# Altium PCB spd150.PcbDoc (part 1 of 15) (continued)
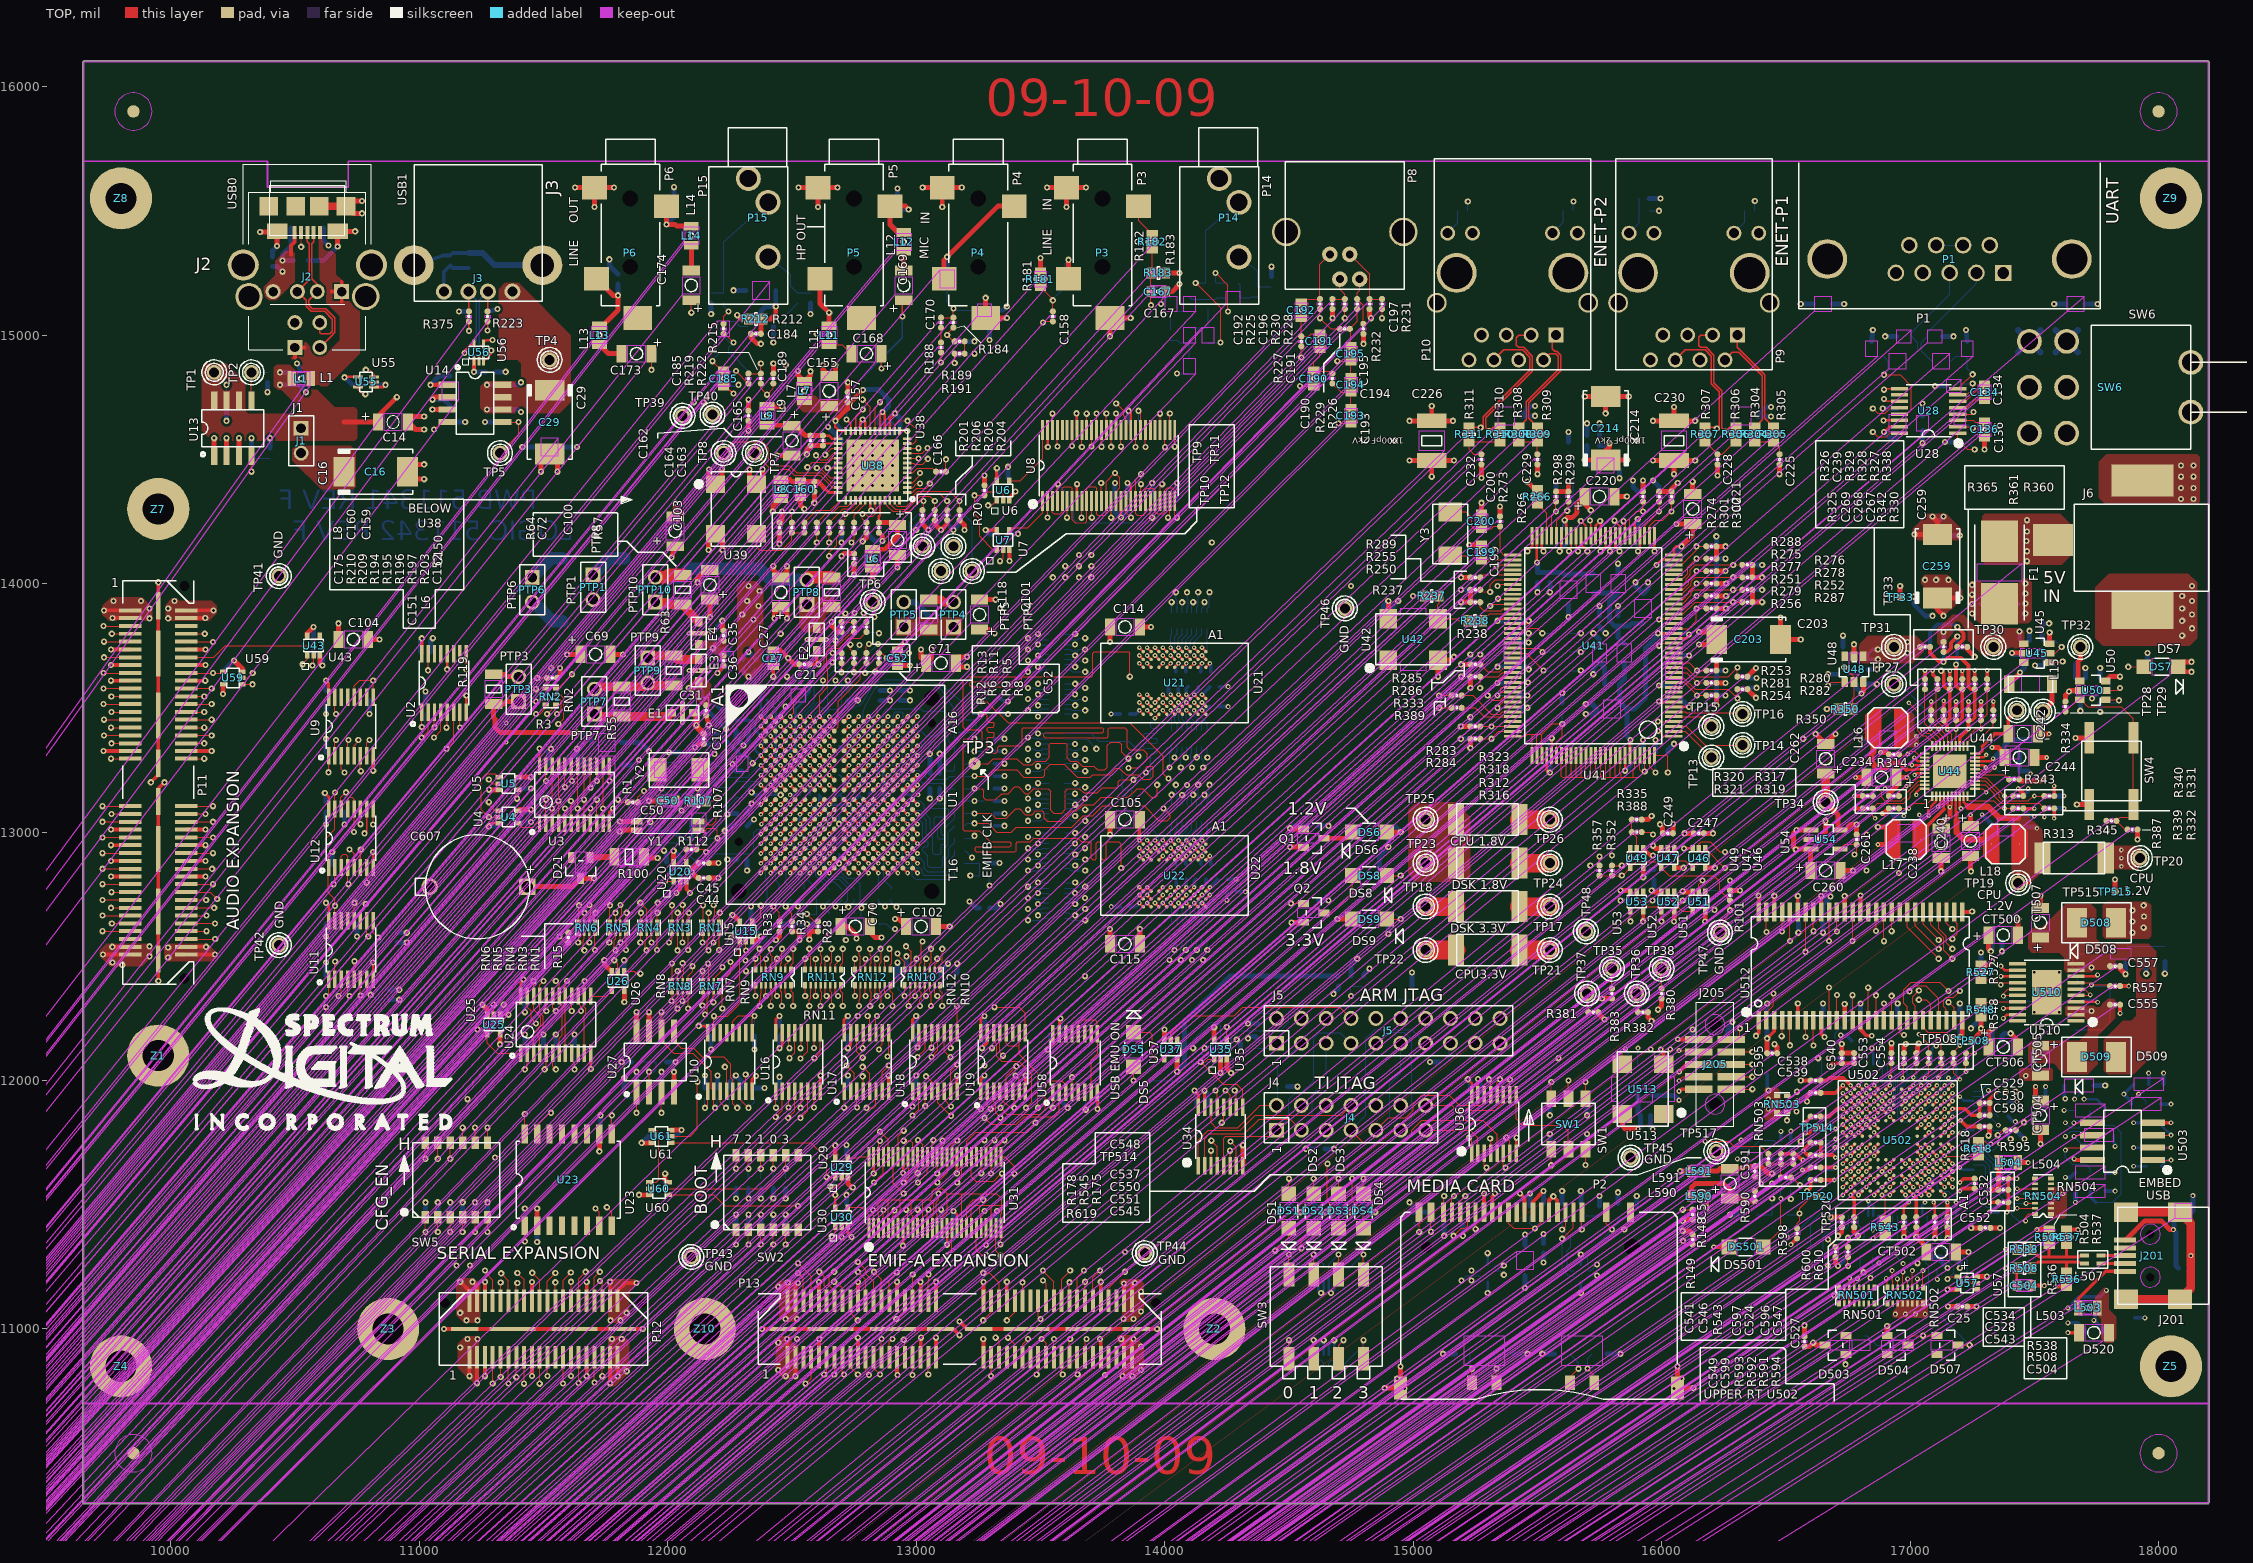
[diagram p0: TOP view]
## Components (designator, comment, footprint, x,y, rotation, side; value= is the part's Value field where it differs from the comment) (continued)
C235 "CAP NP_C402-25_0.1UF" C402-25#3 16935,13145 r0 bottom
C236 "CAP P_0_C1206-40X70_22UF" C1206-40X70#2 16910,13370 r0 bottom
C237 "CAP P_0_C1206-40X70_22UF" C1206-40X70#3 16985,12995 r180 bottom
C238 "CAP P_0_C1206-40X70-POL_10UF" C1206-40X70-POL#13 17125,12955 r270 top
C239 "CAP NP_C402-25_0.001UF" C402-25#9 17110,13595 r90 top
C240 "CAP P_0_C1206-40X70-POL_10UF" C1206-40X70-POL#14 17243,12964 r270 top
C241 "CAP P_0_C1206-40X70_22UF" C1206-40X70#2 17385,13020 r0 bottom
C242 "CAP P_0_C1206-40X70_22UF" C1206-40X70#1 17455,13395 r0 top
C243 "CAP P_0_C603-35X45_2.2UF" C603-35X45#19 17410,13320 r180 bottom
C244 "CAP P_0_C1206-40X70-POL_10UF" C1206-40X70-POL#5 17440,13300 r0 top
C245 "CAP P_0_C603-35X45_2.2UF" C603-35X45#19 17410,13245 r180 bottom
C246 "CAP NP_2_C402-25_0.1UF" C402-25#10 17460,13695 r270 bottom
C247 "CAP NP_0_C402-25_0.1UF" C402-25#57 16150,12995 r180 top
C248 "CAP NP_2_C402-25_0.1UF" C402-25#3 17560,13670 r0 bottom
C249 "CAP NP_0_C402-25_0.1UF" C402-25#58 16025,12995 r180 top
C250 "CAP NP_2_C402-25_0.1UF" C402-25#59 16805,13595 r180 bottom
C251 "CAP NP_0_C402-25_0.1UF" C402-25#3 15970,12830 r90 bottom
C252 "CAP NP_2_C402-25_0.1UF" C402-25#60 16710,13615 r270 bottom
C253 "CAP NP_2_C402-25_0.1UF" C402-25#61 17685,13545 r270 bottom
C254 "CAP NP_2_C402-25_0.1UF" C402-25#3 17785,13520 r0 bottom
C255 "CAP NP_2_C402-25_.1UF" C402-25#62 15875,12745 r270 bottom
C256 "CAP NP_0_C402-25_0.1UF" C402-25#62 16125,12745 r270 bottom
C257 "CAP NP_0_C402-25_0.1UF" C402-25#62 16000,12745 r270 bottom
C258 "CAP NP_2_C402-25_1UF" C402-25#3 16175,12745 r90 bottom
C259 "CAP P_0_C7343-84X118_47UF" C7343-84X118 17110,14070 r90 top
C260 "CAP 10UF CERMC 6.3V 20% 1206_C1" C1206-40X70-POL#5 16660,12845 r0 top
C261 "CAP 100NF CERMC 16V 10% 603_C_1" C402-25#63 16785,12970 r270 top
C262 "CAP 10UF CERMC 6.3V 20% 1206_C1" C1206-40X70-POL#5 16660,13295 r90 top
C263 "CAP NP_0_C402-25_0.1UF" C402-25#64 11287.3,14852 r180 bottom
C264 "CAP NP_0_C402-25_0.1UF" C402-25#3 10800,14800 r0 bottom
C265 "CAP NP_2_C402-25_0.1UF" C402-25#65 13560,12185 r180 bottom
C266 "CAP NP_2_C402-25_.1UF" C402-25#60 10210,13620 r270 bottom
C267 "CAP NP_C402-25_NO-POP" C402-25#9 17235,13470 r90 top
C268 "CAP NP_C402-25_0.1UF" C402-25#9 17185,13470 r90 top
C269 "CAP NP_C402-25_0.1UF" C402-25#9 17135,13470 r90 top
C270 "CAP .1 UF 10% 0603_C402-25_.1UF" C402-25#66 10410,15295 r270 bottom
C271 "CAP .1 UF 10% 0603_C402-25_.1UF" C402-25#66 11125,15300 r270 bottom
C272 "CAP NP_C402-25_0.01UF" C402-25#17 12374,13328 r0 bottom
C273 "CAP NP_C402-25_0.1UF" C402-25#3 11970,11565 r0 bottom
C274 "CAP NP_0_C402-25_0.1UF" C402-25#67 11975,11775 r180 bottom
C275 "CAP .1 UF 10% 0603_C402-25_NO-P" C402-25#68 11995,12860 r270 bottom
C502 "CAP NP_5_C603-35X45_NO-POP" C603-35X45#1 17560,11370 r90 bottom
C504 "CAP NP_5_C603-35X45_NO-POP" C603-35X45#2 17460,11175 r0 top
C518 "CAP NP_C603-35X45_NO-POP" C603-35X45#1 16375,11685 r0 bottom
C524 "CAP NP_5_C402-25_0.1UF" C402-25#69 17025,11430 r270 top
C526 "CAP NP_1_C402-25_0.1UF" C402-25#70 17350,12560 r180 bottom
C527 "CAP NP_5_C402-25_0.1UF" C402-25#9 16575,10950 r90 top
C528 "CAP NP_1_C402-25_0.1UF" C402-25#9 17375,11560 r0 top
C529 "CAP NP_5_C402-25_0.1UF" C402-25#9 17300,11910 r0 top
C530 "CAP NP_5_C402-25_0.1UF" C402-25#9 17300,11860 r0 top
C531 "CAP NP_5_C402-25_0.01UF" C402-25#71 17885,11045 r180 bottom
C532 "CAP NP_5_C402-25_0.1UF" C402-25#72 17260,11585 r270 top
C534 "CAP NP_C402-25_0.001UF" C402-25#9 17375,11605 r0 top
C535 "CAP NP_5_C402-25_0.1UF" C402-25#3 18100,11245 r0 bottom
C537 "CAP NP_5_C402-25_0.1UF" C402-25#73 16620,11750 r180 top
C538 "CAP NP_5_C402-25_0.1UF" C402-25#73 16620,12000 r180 top
C539 "CAP NP_5_C402-25_0.1UF" C402-25#73 16620,11950 r180 top
C540 "CAP NP_5_C402-25_0.1UF" C402-25#9 16725,12090 r90 top
C541 "CAP NP_5_C402-25_0.1UF" C402-25#69 16725,11430 r270 top
C543 "CAP NP_5_C402-25_0.1UF" C402-25#9 17375,11510 r0 top
C544 "CAP NP_5_C402-25_0.1UF" C402-25#74 17525,11940 r180 bottom
C545 "CAP NP_5_C402-25_0.1UF" C402-25#73 16620,11600 r180 top
C546 "CAP NP_5_C402-25_0.1UF" C402-25#69 16775,11430 r270 top
C547 "CAP NP_5_C402-25_0.1UF" C402-25#69 17150,11430 r270 top
C548 "CAP NP_5_C402-25_0.1UF" C402-25#73 16620,11855 r180 top
C549 "CAP NP_5_C402-25_0.1UF" C402-25#9 16975,12090 r90 top
C550 "CAP NP_5_C402-25_0.1UF" C402-25#73 16620,11700 r180 top
C551 "CAP NP_5_C402-25_0.1UF" C402-25#73 16620,11650 r180 top
C552 "CAP NP_5_C402-25_0.1UF" C402-25#9 17303,11407 r0 top
C553 "CAP NP_5_C402-25_0.1UF" C402-25#9 16775,12090 r90 top
C554 "CAP NP_5_C402-25_0.1UF" C402-25#9 16925,12090 r90 top
C555 "CAP NP_4_C402-25_0.1UF" C402-25#9 17825,12305 r0 top
C556 "CAP NP_1_C402-25_0.1UF" C402-25#70 17350,12160 r180 bottom
C557 "CAP NP_1_C402-25_0.1UF" C402-25#9 17825,12460 r0 top
C590 "CAP NP_4_C1206-40X70-POL_10UF" C1206-40X70-POL#5 16275,11585 r90 top
C591 "CAP NP_4_C402-25_0.1UF" C402-25#9 16375,11635 r90 top
C592 "CAP NP_C402-25_0.1UF" C402-25#75 17405,11800 r180 bottom
C593 "CAP NP_C402-25_0.1UF" C402-25#3 16500,11760 r0 bottom
C594 "CAP NP_C402-25_0.1UF" C402-25#3 17075,11310 r90 bottom
C595 "CAP NP_C402-25_0.1UF" C402-25#9 16445,12110 r0 top
C596 "CAP NP_C402-25_0.1UF" C402-25#69 17100,11430 r270 top
C597 "CAP NP_C402-25_0.1UF" C402-25#69 16975,11430 r270 top
C598 "CAP NP_C402-25_0.1UF" C402-25#9 17300,11815 r0 top
C599 "CAP NP_C402-25_0.1UF" C402-25#9 17025,12090 r90 top
C600 "CAP NP_1_C402-25_0.1UF" C402-25#76 16800,12235 r270 bottom
C601 "CAP NP_1_C402-25_0.1UF" C402-25#76 17200,12235 r270 bottom
C602 "CAP NP_1_C402-25_0.1UF" C402-25#76 16650,12235 r270 bottom
C603 "CAP NP_1_C402-25_0.1UF" C402-25#76 16425,12235 r270 bottom
C604 "CAP NP_1_C402-25_0.1UF" C402-25#3 16650,12660 r90 bottom
C605 "CAP NP_1_C402-25_0.1UF" C402-25#3 16550,12685 r90 bottom
C606 "CAP NP_1_C402-25_0.1UF" C402-25#77 15935,11860 r180 bottom
C607 "CAP_0_C393-6545-H_.33F" C393-6545-H 11215,12780 r180 top
CT500 "CAP P_1_C1206-40X70P_33UF" C1206-40X70P#1 17375,12585 r0 top
CT502 "CAP P_1_C1206-40X70P_22UF" C1206-40X70P#3 17125,11310 r180 top
CT504 "CAP P_1_C1206-40X70P_22UF" C1206-40X70P#4 17525,11860 r270 top
CT505 "CAP P_1_C1206-40X70P_22UF" C1206-40X70P#5 17525,12080 r270 top
CT506 "CAP P_1_C1206-40X70P_33UF" C1206-40X70P#1 17375,12135 r0 top
CT507 "CAP P_1_C1206-40X70P_22UF" C1206-40X70P#1 17525,12635 r90 top
D1 "SMCJ6_0.0A_SMC-80X128_SMCJ6A" SMC-80X128 17110,14070 r270 bottom
D21 "MMBD4148_0_SOT23-3_MMBD4148" SOT23-3 11650,12855 r180 top
D503 "MMBD4148_0_SOT23-28X44_MMBD4148" SOT23-28X44#1 16700,10935 r90 top
D504 "MMBD4148_0_SOT23-28X44_MMBD4148" SOT23-28X44#2 16950,10935 r270 top
D505 "MMBD4148_0_SOT23-28X44_MMBD4148" SOT23-28X44#3 16775,10935 r90 bottom
D506 "MMBD4148_0_SOT23-28X44_MMBD4148" SOT23-28X44#3 16950,10935 r90 bottom
D507 "MMBD4148_0_SOT23-28X44_MMBD4148" SOT23-28X44#2 17150,10935 r270 top
D508 "DIODE_0_DO214AA-79X110_MURS120T" DO214AA-79X110 17750,12635 r0 top
D509 "DIODE_0_DO214AA-79X110_MURS120T" DO214AA-79X110 17750,12095 r0 top
D520 "DIODE ZENER_0_MELF1206-40X70_6." MELF1206-40X70 17740,10985 r180 top
DS1 "LED_0_LED1206-59X59_LED_GRN" LED1206-59X59#1 14500,11475 r90 top
DS2 "LED_0_LED1206-59X59_LED_GRN" LED1206-59X59#1 14600,11475 r90 top
DS3 "LED_0_LED1206-59X59_LED_GRN" LED1206-59X59#1 14700,11475 r90 top
DS4 "LED_RED_0_LED1206-59X59_LED_GRN" LED1206-59X59#1 14800,11475 r90 top
DS5 "LED_1_LED1206-59X59_GREEN" LED1206-59X59#2 13875,12125 r270 top
DS6 "LED_2_LED1206-59X59_LED GRN" LED1206-59X59#1 14825,13000 r0 top
DS7 "LED_2_LED1206-59X59_LED GRN" LED1206-59X59#3 18010,13665 r180 top
DS8 "LED_2_LED1206-59X59_LED GRN" LED1206-59X59#1 14825,12825 r0 top
DS9 "LED_2_LED1206-59X59_LED GRN" LED1206-59X59#1 14825,12650 r0 top
DS501 "LED_0_LED1206-59X59_LTST-C150GK" LED1206-59X59#1 16340,11330 r0 top
E1 "NFM_1_EMI-NFM21P_NFM21PC474R1C3" EMI-NFM21P 12060,13480 r180 top
E2 "NFM_1_EMI-NFM21P_NFM21PC474R1C3" EMI-NFM21P 12600,13775 r90 top
E3 "NFM_1_EMI-NFM21P_NFM21PC474R1C3" EMI-NFM21P 12125,13650 r90 top
E4 "NFM_1_EMI-NFM21P_NFM21PC474R1C3" EMI-NFM21P 12125,13800 r90 top
F1 "F_2.5A_FUSEFOLDER-OMNI-BLOK_F_4" FUSEFOLDER-OMNI-BLOK 17360,14045 r270 top
J1 "HEADER 2_JUMP1X2-6040_HEADER 2" JUMP1X2-6040 10525,14575 r0 top
J2 "USBCONN3_0_USB_TRIPL-REV2_USB-M" USB_TRIPL-REV2 10550,15315 r180 top
J3 "USB-A CONNECTOR_USB_A_SH_USB-A" USB_A_SH 11237.9,15410.7 r180 top
J4 "14 PIN EMULATION HEADER_1_JUMP2" JUMP2X7-6040 14750,11850 r90 top
J5 "HEADER 10X2_JUMP2X10-6040_SAMTE" JUMP2X10-6040 14900,12200 r90 top
J6 "PHONEJACK_1_PWR3-RASM712_RASM71" PWR3-RASM712 17843,14148.5 r90 top
J201 "USBMINI_B_SAMTEC-MUSB_USBMINI_B" SAMTEC-MUSB 18012.5,11295 r90 top
J205 "HEADER 5X2_0_CONN2X5-AMP104652_" CONN2X5-AMP104652 16217.5,12065 r270 top
JP501 "JUMPER3_SMT_JUMP3-603-35X45_JUM" JUMP3-603-35X45#1 17755,11555 r0 bottom
JP502 "JUMPER3_SMT_JUMP3-603-35X45_JUM" JUMP3-603-35X45#1 17990,11985 r0 bottom
JP503 "JUMPER3_SMT_JUMP3-603-35X45_JUM" JUMP3-603-35X45#1 17980,11905 r0 bottom
JP504 "JUMPER3_SMT_JUMP3-603-35X45_JUM" JUMP3-603-35X45#2 17650,11980 r180 bottom
JP505 "JUMPER3_SMT_JUMP3-603-35X45_JUM" JUMP3-603-35X45#1 17755,11630 r0 bottom
JP506 "JUMPER3_SMT_JUMP3-603-35X45_JUM" JUMP3-603-35X45#1 17790,11780 r0 bottom
JP507 "JUMPER3_SMT_JUMP3-603-35X45_JUM" JUMP3-603-35X45#1 17755,11880 r0 bottom
JP508 "JUMPER 2_R603-35X45_JUMPER 2" R603-35X45#1 17980,11655 r180 bottom
JP509 "JUMPER 2_R603-35X45_JUMPER 2" R603-35X45#1 17980,11730 r180 bottom
JP510 "JUMPER 2_R603-35X45_JUMPER 2" R603-35X45#1 17980,11830 r180 bottom
L1 "INDUCTOR_3_L805-35X60_BLM21PG22" L805-35X60#1 10525,14825 r180 top
L2 "INDUCTOR_0_L805-35X60_BLM21PG22" L805-35X60#2 16650,15125 r180 bottom
L3 "INDUCTOR_L805-35X60_1UH" L805-35X60#3 16950,14895 r180 bottom
L4 "INDUCTOR_L805-35X60_1UH" L805-35X60#4 17125,14895 r0 bottom
L5 "INDUCTOR_0_L805-35X60_BLM21PG22" L805-35X60#4 17665,15125 r0 bottom
L6 "INDUCTOR_L805-35X60_BLM21PG221S" L805-35X60#5 12825,14100 r90 top
L7 "INDUCTOR_L805-35X60_BLM21PG221S" L805-35X60#5 12550,14775 r90 top
L8 "INDUCTOR_L805-35X60_BLM21PG221S" L805-35X60#6 12455,14380 r270 top
L9 "INDUCTOR_L805-35X60_BLM21PG221S" L805-35X60#5 12400,14675 r90 top
L10 "INDUCTOR_L805-35X60_BLM21PG221S" L805-35X60#4 13125,15225 r90 bottom
L11 "INDUCTOR_L805-35X60_BLM21PG221S" L805-35X60#5 12650,15000 r90 top
L12 "INDUCTOR_L805-35X60_BLM21PG221S" L805-35X60#5 12950,15375 r90 top
L13 "INDUCTOR_L805-35X60_BLM21PG221S" L805-35X60#5 11725,15000 r90 top
L14 "INDUCTOR_L805-35X60_BLM21PG221S" L805-35X60#5 12095,15400 r90 top
L15 "INDUCTOR_0_FB1806-41X70_BLM41P7" FB1806-41X70 17484.5,13594.5 r0 top
L16 "INDUCTOR_0_IND_VLCF_2.2UH" IND_VLCF 16910,13420 r0 top
L17 "INDUCTOR_0_IND_VLCF_2.2UH" IND_VLCF 16985,12970 r0 top
L18 "INDUCTOR_0_IND_VLCF_2.2UH" IND_VLCF 17384,12952 r180 top
L19 "FBEAD_1_L805-35X60_BLM21PG221SN" L805-35X60#4 15750,13720 r90 bottom
L20 "FBEAD_1_L805-35X60_BLM21PG221SN" L805-35X60#4 15850,13720 r90 bottom
L21 "FBEAD_1_L805-35X60_BLM21PG221SN" L805-35X60#4 15775,14475 r0 bottom
L22 "FBEAD_1_L805-35X60_BLM21PG221SN" L805-35X60#7 15725,14000 r270 bottom
L23 "FBEAD_1_L805-35X60_BLM21PG221SN" L805-35X60#7 15825,14000 r270 bottom
L24 "INDUCTOR_0_EMI-BLM31P-40X70_BLM" EMI-BLM31P-40X70 11755,13360 r0 bottom
L25 "INDUCTOR_0_EMI-BLM31P-40X70_BLM" EMI-BLM31P-40X70 11755,13270 r0 bottom
L503 "FERRITE CHIP_L805-35X60_BLM21P2" L805-35X60#5 17715,11085 r0 top
L504 "FERRITE CHIP_L805-35X60_BLM21P2" L805-35X60#8 17395,11670 r180 top
L505 "FERRITE CHIP_L805-35X60_BLM21P2" L805-35X60#9 18100,11475 r180 bottom
L507 "CM CHOKE_EMI-36X15-DLW21_DLW21S" EMI-36X15-DLW21 17735,11280 r0 top
L590 "FERRITE CHIP_L603-35X45_30 OHM" L603-35X45#1 16150,11535 r0 top
L591 "FERRITE CHIP_L603-35X45_30 OHM" L603-35X45#1 16150,11635 r0 top
L592 "FERRITE CHIP_L603-35X45_FERRITE" L603-35X45#2 15935,11940 r180 bottom
P1 "DSUB9-MALE_CONN9D-6547-RT-M_DB9" CONN9D-6547-RT-M 17159,15400 r0 top
P2 "MMC4_2.0_CONN_CONN-MMC-MHC-W21-" CONN-MMC-MHC-W21-601 15509,11091.8 r0 top
P3 "KYCON ST-3500_0_ST_3500_LINE IN" ST_3500 13750,15402.5 r0 top
P4 "KYCON ST-3500_0_ST_3500_MIC IN" ST_3500 13250,15402.5 r0 top
P5 "KYCON ST-3500_0_ST_3500_HEADPHO" ST_3500 12750,15402.5 r0 top
P6 "KYCON ST-3500_0_ST_3500_LINE OU" ST_3500 11850,15402.5 r0 top
P8 "RJ11-4_0_MOLEX-52018_RJ9-4" MOLEX-52018 14725,15441 r180 top
P9 "RJ45_2_CONN8-RT-RJ45-SH-HALO_RJ" CONN8-RT-RJ45-SH-HALO 16130,15285 r180 top
P10 "RJ45_2_CONN8-RT-RJ45-SH-HALO_RJ" CONN8-RT-RJ45-SH-HALO 15400,15285 r180 top
P11 "QSE-040-01-L-D-A_QSE_040_QSE-04" QSE_040 9947.5,13197.5 r90 top
P12 "QSE-020-01-L-D-A_0_QSE_020_QSE-" QSE_020 11502.5,10997.5 r180 top
P13 "QSE-040-01-L-D-A_QSE_040_QSE-04" QSE_040 13177.5,10997.5 r180 top
P14 "PHONOJACK_ST_1_CUI3533-10070_PH" CUI3533-10070 14220,15479.5 r270 top
P15 "PHONOJACK_ST_1_CUI3533-10070_PH" CUI3533-10070 12325,15479.5 r270 top
PTP1 "PTP2_JUMP1X2-6040_HEADER 2" JUMP1X2-6040 11700,13985 r0 top
PTP3 "PTP2_JUMP1X2-6040_HEADER 2" JUMP1X2-6040 11400,13575 r180 top
PTP4 "PTP2_JUMP1X2-6040_HEADER 2" JUMP1X2-6040 13150,13875 r180 top
PTP5 "PTP2_JUMP1X2-6040_HEADER 2" JUMP1X2-6040 12950,13875 r180 top
PTP6 "PTP2_JUMP1X2-6040_HEADER 2" JUMP1X2-6040 11455,13975 r0 top
PTP7 "PTP2_JUMP1X2-6040_HEADER 2" JUMP1X2-6040 11705,13525 r180 top
PTP8 "PTP2_JUMP1X2-6040_HEADER 2" JUMP1X2-6040 12560,13965 r180 top
PTP9 "PTP2_JUMP1X2-6040_HEADER 2" JUMP1X2-6040 11920,13650 r0 top
PTP10 "PTP2_JUMP1X2-6040_HEADER 2" JUMP1X2-6040 11950,13975 r180 top
Q1 "2N2222_0_SOT23-28X44_FJV3109R" SOT23-28X44#4 14600,12975 r270 top
Q2 "2N2222_0_SOT23-28X44_FJV3109R" SOT23-28X44#5 14600,12675 r270 top
Q501 "MOSFET N_0_SOT23-28X44-GSD_BSS1" SOT23-28X44-GSD 17825,12510 r90 bottom
R1 "R_R402-25_22" R402-25#1 11860,13120 r0 top
R2 "R_1_R402-25_NO-POP" R402-25#2 11535,13620 r0 bottom
R3 "R_1_R402-25_2K" R402-25#1 11535,13620 r0 top
R4 "R_R402-25_22" R402-25#2 12800,13825 r90 bottom
R5 "R_R402-25_22" R402-25#3 12800,13825 r270 top
R6 "R_R402-25_22" R402-25#4 12750,13700 r270 top
R7 "R_R402-25_22" R402-25#2 12750,13700 r90 bottom
R8 "R_R402-25_22" R402-25#4 12850,13700 r270 top
R9 "R_R402-25_22" R402-25#4 12800,13700 r270 top
R10 "R_R402-25_22" R402-25#2 12800,13700 r90 bottom
R11 "R_R402-25_22" R402-25#3 12750,13825 r270 top
R12 "R_R402-25_22" R402-25#4 12700,13700 r270 top
R13 "R_1_R402-25_NO-POP" R402-25#1 12700,13825 r90 top
R14 "R_R402-25_22" R402-25#2 12700,13700 r90 bottom
R15 "R_R402-25_0" R402-25#1 11600,12575 r90 top
R16 "R_R402-25_22" R402-25#2 12750,13825 r90 bottom
R17 "R_1_R402-25_2K" R402-25#2 12700,13825 r90 bottom
R18 "R_R402-25_2K" R402-25#5 11025,13500 r270 bottom
R19 "R_R402-25_2K" R402-25#2 11335,13060 r90 bottom
R20 "R_R402-25_2K" R402-25#1 13275,14375 r90 top
R21 "R_R402-25_360" R402-25#2 13950,14325 r90 bottom
R22 "R_0_R402-25_1K" R402-25#2 13875,14650 r0 bottom
R23 "R_R402-25_360" R402-25#6 14050,14325 r270 bottom
R24 "R_1_R402-25_20K" R402-25#7 12600,12650 r270 bottom
R25 "R_1_R402-25_20K" R402-25#7 12450,12650 r270 bottom
R26 "R_1_R402-25_20K" R402-25#7 12500,12650 r270 bottom
R27 "R_1_R402-25_22" R402-25#8 12600,12750 r270 bottom
R28 "R_1_R402-25_NO-POP" R402-25#9 12605,12620 r270 top
R29 "R_1_R402-25_22" R402-25#10 12625,13550 r270 bottom
R30 "R_1_R402-25_22" R402-25#10 12675,13550 r270 bottom
R31 "R_1_R402-25_22" R402-25#2 12450,12750 r90 bottom
R32 "R_1_R402-25_22" R402-25#2 12500,12750 r90 bottom
R33 "R_1_R402-25_NO-POP" R402-25#1 12450,12620 r90 top
R34 "R_1_R402-25_NO-POP" R402-25#1 12500,12620 r90 top
R35 "R_1_R402-25_20K" R402-25#2 10890,12555 r0 bottom
R36 "R_1_R402-25_NO-POP" R402-25#11 10890,12595 r180 bottom
R37 "R_1_R402-25_20K" R402-25#2 10860,12325 r0 bottom
R38 "R_1_R402-25_NO-POP" R402-25#12 10860,12365 r180 bottom
R39 "R_1_R402-25_22" R402-25#8 12550,12750 r270 bottom
R40 "R_R402-25_2.2K" R402-25#2 12300,11950 r90 bottom
R41 "R_R402-25_2.2K" R402-25#2 12350,11950 r90 bottom
R42 "R_R402-25_2.2K" R402-25#2 12200,11950 r90 bottom
R43 "R_R402-25_2.2K" R402-25#2 12250,11950 r90 bottom
R44 "R_R402-25_360" R402-25#2 10800,13550 r90 bottom
R45 "R_R402-25_360" R402-25#2 12350,12200 r90 bottom
R46 "R_R402-25_2K" R402-25#13 10625,13300 r270 bottom
R47 "R_R402-25_2K" R402-25#14 12150,11950 r270 bottom
R48 "R_R402-25_360" R402-25#2 10750,12650 r90 bottom
R49 "R_R402-25_2K" R402-25#15 10625,12400 r270 bottom
R50 "R_R402-25_2K" R402-25#16 10650,12850 r270 bottom
R51 "R_R402-25_2K" R402-25#2 10700,13100 r90 bottom
R52 "R_R402-25_100K" R402-25#17 10500,14800 r180 bottom
R53 "R_R402-25_10K" R402-25#18 10390,14830 r270 bottom
R54 "R_R402-25_NO-POP" R402-25#2 10400,14525 r90 bottom
R55 "R_R1206-40X70_0.02" R1206-40X70#1 11815,13525 r90 top
R56 "R_R402-25_10K" R402-25#19 10325,14525 r270 bottom
R57 "R_R1206-40X70_0.02" R1206-40X70#1 12660,13965 r90 top
R58 "R_R402-25_NO-POP" R402-25#2 10505,15430 r0 bottom
R59 "R_R402-25_NO-POP" R402-25#2 10595,15430 r0 bottom
R60 "R_R402-25_100K" R402-25#20 11350,14700 r180 bottom
R61 "R_R402-25_10K" R402-25#21 11325,14650 r180 bottom
R62 "R_R402-25_10K" R402-25#2 11125,14650 r0 bottom
R63 "R_R1206-40X70_0.02" R1206-40X70#2 12025,13650 r270 top
R64 "R_R1206-40X70_0.02" R1206-40X70#1 12060,13975 r90 top
R65 "R_R402-25_10K" R402-25#7 12650,12650 r270 bottom
R66 "R_R402-25_22" R402-25#2 12650,12750 r90 bottom
R67 "R_1_R402-25_20K" R402-25#2 12925,12395 r90 bottom
R68 "R_1_R402-25_NO-POP" R402-25#2 12975,12395 r90 bottom
R69 "R_R402-25_22" R402-25#2 12750,12750 r90 bottom
R70 "R_1_R402-25_20K" R402-25#15 13100,12400 r270 bottom
R71 "R_1_R402-25_NO-POP" R402-25#15 13150,12400 r270 bottom
R72 "R_R402-25_22" R402-25#2 12400,12650 r90 bottom
R73 "R_1_R402-25_20K" R402-25#2 12290,12575 r90 bottom
R74 "R_1_R402-25_NO-POP" R402-25#22 12340,12575 r270 bottom
R75 "R_R402-25_22" R402-25#2 12700,12750 r90 bottom
R76 "R_R402-25_22" R402-25#23 13175,12975 r180 bottom
R77 "R_R402-25_22" R402-25#2 12750,12650 r90 bottom
R78 "R_R402-25_22" R402-25#2 12850,12650 r90 bottom
R79 "R_R402-25_22" R402-25#2 12850,12750 r90 bottom
R80 "R_R402-25_22" R402-25#2 12700,12650 r90 bottom
R81 "R_1_R402-25_20K" R402-25#2 13275,12825 r0 bottom
R82 "R_R402-25_22" R402-25#23 13175,12875 r180 bottom
R83 "R_R402-25_2K" R402-25#14 12450,11950 r270 bottom
R84 "R_R402-25_2K" R402-25#14 12725,11950 r270 bottom
R85 "R_1_R402-25_NO-POP" R402-25#24 13275,12875 r180 bottom
R86 "R_R402-25_22" R402-25#23 13175,12925 r180 bottom
R87 "R_R402-25_22" R402-25#2 12900,12750 r90 bottom
R88 "R_R402-25_2K" R402-25#14 13000,11950 r270 bottom
R89 "R_R402-25_2K" R402-25#14 13275,11950 r270 bottom
R90 "R_0_R402-25_22" R402-25#2 13175,13225 r0 bottom
R91 "R_0_R402-25_22" R402-25#2 13175,13275 r0 bottom
R92 "R_0_R402-25_22" R402-25#2 13175,13175 r0 bottom
R93 "R_0_R402-25_22" R402-25#2 13175,13025 r0 bottom
R94 "R_0_R402-25_22" R402-25#2 13205,13525 r0 bottom
R95 "R_0_R402-25_22" R402-25#2 13175,13125 r0 bottom
R96 "R_0_R402-25_22" R402-25#2 13175,13325 r0 bottom
R97 "R_0_R402-25_22" R402-25#2 13175,13375 r0 bottom
R98 "R_0_R402-25_22" R402-25#2 13205,13475 r0 bottom
R99 "R_0_R402-25_22" R402-25#2 13175,13075 r0 bottom
R100 "R_R1206-40X70_0.02" R1206-40X70#3 11845,12900 r180 top
R101 "R_R402-25_10K" R402-25#25 16275,12745 r270 top
R102 "R_R402-25_NO-POP" R402-25#8 16275,12745 r270 bottom
R103 "R_2_R402-25_NO-POP" R402-25#2 12300,13160 r90 bottom
R104 "R_R402-25_0" R402-25#2 12025,13025 r90 bottom
R105 "R_R402-25_NO-POP" R402-25#2 11950,13000 r0 bottom
R106 "R_2_R402-25_NO-POP" R402-25#2 12225,13200 r90 bottom
R107 "R_R603-35X45_100" R603-35X45#2 12125,13125 r180 top
R108 "R_R402-25_0" R402-25#2 12225,13285 r90 bottom
R109 "R_R402-25_NO-POP" R402-25#13 12045,13300 r270 bottom
R110 "R_R402-25_10K" R402-25#2 15550,11725 r90 bottom
R111 "R_R402-25_10K" R402-25#26 15550,11925 r270 bottom
R112 "R_R402-25_33" R402-25#27 12095,12930 r180 top
R113 "R_R402-25_2.2K" R402-25#28 15700,11725 r270 bottom
R114 "R_R402-25_2.2K" R402-25#2 15700,11925 r90 bottom
R115 "R_R2512_0.025" R2512#1 11825,13975 r90 bottom
R116 "R_R2512_0.025" R2512#1 11575,13975 r270 bottom
R117 "R_R402-25_NO-POP" R402-25#2 13050,13850 r90 bottom
R118 "R_R1206-40X70_0.02" R1206-40X70#1 13050,13875 r90 top
R119 "R_R1206-40X70_0.02" R1206-40X70#4 11300,13575 r270 top
R120 "R_R402-25_15K" R402-25#2 11275,15075 r90 bottom
R121 "R_1_R402-25_2K" R402-25#2 12275,11400 r90 bottom
R122 "R_1_R402-25_2K" R402-25#2 12325,11400 r90 bottom
R123 "R_1_R402-25_2K" R402-25#2 12375,11400 r90 bottom
R124 "R_1_R402-25_20K" R402-25#29 12475,11585 r270 bottom
R125 "R_1_R402-25_2K" R402-25#2 12425,11400 r90 bottom
R126 "R_1_R402-25_2K" R402-25#30 12475,11400 r270 bottom
R127 "R_1_R402-25_20K" R402-25#2 12275,11585 r90 bottom
R128 "R_1_R402-25_20K" R402-25#2 12325,11585 r90 bottom
R129 "R_1_R402-25_20K" R402-25#2 12375,11585 r90 bottom
R130 "R_1_R402-25_20K" R402-25#2 12425,11585 r90 bottom
R131 "R_R402-25_10K" R402-25#2 11425,11425 r90 bottom
R132 "RESISTOR_1_R402-25_10K" R402-25#31 11750,11800 r180 bottom
R133 "RESISTOR_1_R402-25_10K" R402-25#32 11425,12125 r270 bottom
R134 "RESISTOR_1_R402-25_10K" R402-25#32 11500,12125 r270 bottom
R135 "RESISTOR_1_R402-25_10K" R402-25#32 11550,12125 r270 bottom
R136 "RESISTOR_1_R402-25_10K" R402-25#32 11625,12125 r270 bottom
R137 "R_R402-25_2K" R402-25#2 11275,12225 r90 bottom
R138 "R_R402-25_NO-POP" R402-25#2 11875,11950 r90 bottom
R139 "R_R402-25_NO-POP" R402-25#2 11975,12075 r0 bottom
R140 "R_R402-25_NO-POP" R402-25#2 11975,11950 r90 bottom
R141 "R_1_R402-25_0" R402-25#14 11825,11950 r270 bottom
R142 "R_1_R402-25_0" R402-25#2 11875,12075 r0 bottom
R143 "R_R402-25_NO-POP" R402-25#14 12025,11950 r270 bottom
R144 "R_0_R402-25_330" R402-25#33 14500,11525 r270 bottom
R145 "R_0_R402-25_330" R402-25#33 14600,11525 r270 bottom
R146 "R_0_R402-25_330" R402-25#33 14700,11525 r270 bottom
R147 "R_0_R402-25_330" R402-25#33 14800,11525 r270 bottom
R148 "RESISTOR_R402-25_10K" R402-25#1 16125,11460 r90 top
R149 "RESISTOR_R402-25_10K" R402-25#34 16125,11360 r270 top
R150 "RESISTOR_R402-25_10K" R402-25#35 17200,14570 r180 bottom
R151 "R_R402-25_2K" R402-25#36 12700,11600 r180 bottom
R152 "R_R402-25_360" R402-25#37 13710,11955 r180 bottom
R153 "R_R402-25_360" R402-25#30 13325,11400 r270 bottom
R154 "R_1_R603-35X45_51K" R603-35X45#3 15825,11475 r90 bottom
R155 "R_1_R603-35X45_51K" R603-35X45#3 15675,11475 r90 bottom
R156 "R_1_R603-35X45_51K" R603-35X45#3 15525,11475 r90 bottom
R157 "R_1_R603-35X45_51K" R603-35X45#3 15600,11475 r90 bottom
R158 "R_1_R603-35X45_51K" R603-35X45#4 15125,11450 r270 bottom
R159 "R_1_R603-35X45_51K" R603-35X45#4 15200,11450 r270 bottom
R160 "R_1_R603-35X45_51K" R603-35X45#3 15750,10900 r0 bottom
R161 "R_1_R603-35X45_51K" R603-35X45#5 15600,10900 r180 bottom
R162 "R_1_R603-35X45_51K" R603-35X45#3 15375,10900 r0 bottom
R163 "R_1_R603-35X45_51K" R603-35X45#6 15200,10900 r180 bottom
R164 "R_1_R402-25_NO-POP" R402-25#38 15900,11475 r270 bottom
R165 "R_1_R402-25_NO-POP" R402-25#38 15750,11475 r270 bottom
R166 "R_1_R402-25_NO-POP" R402-25#38 15470,11475 r270 bottom
R167 "RES_0_DISCRETE_R402-25_10K_1%" R402-25#39 15050,11450 r270 bottom
R168 "RES_0_DISCRETE_R402-25_10K_1%" R402-25#39 15000,11450 r270 bottom
R169 "RESISTOR_1_R402-25_10K" R402-25#40 14475,11975 r180 bottom
R170 "R_R603-35X45_NO POP" R603-35X45#7 14225,12075 r180 bottom
R171 "R_1_R402-25_33" R402-25#41 14250,12150 r270 bottom
R172 "RESISTOR_1_R603-35X45_1.5K" R603-35X45#8 16350,11460 r180 bottom
R173 "R_1_R603-35X45_150" R603-35X45#9 15025,12375 r180 bottom
R174 "RESISTOR_1_R402-25_10K" R402-25#15 14750,12400 r270 bottom
R175 "RESISTOR_1_R402-25_10K" R402-25#1 16530,11685 r90 top
R176 "R_R402-25_0" R402-25#2 14375,12250 r90 bottom
R177 "R_R402-25_0" R402-25#41 14375,12150 r270 bottom
R178 "RESISTOR_1_R402-25_NO-POP" R402-25#42 16430,11685 r270 top
R179 "RESISTOR_1_R402-25_10K" R402-25#2 15125,12075 r0 bottom
R180 "R_0_R603-35X45_5.6K" R603-35X45#3 13600,15225 r90 bottom
R181 "R_0_R603-35X45_5.6K" R603-35X45#10 13500,15225 r90 top
R182 "R_0_R603-35X45_5.6K" R603-35X45#11 13950,15375 r270 top
R183 "R_0_R603-35X45_5.6K" R603-35X45#10 13975,15250 r0 top
R184 "R_0_R402-25_330" R402-25#43 13150,15050 r270 top
R185 "R_0_R402-25_20K" R402-25#2 12650,15025 r90 bottom
R186 "R_0_R402-25_20K" R402-25#44 12925,15525 r270 bottom
R187 "R_0_R402-25_47K" R402-25#24 13275,15025 r180 bottom
R188 "R_0_R402-25_330" R402-25#45 13100,14950 r270 top
R189 "R_0_R402-25_10K" R402-25#1 13175,14975 r0 top
R190 "R_0_R402-25_0" R402-25#2 13175,14925 r0 bottom
R191 "R_0_R402-25_0" R402-25#46 13175,14925 r180 top
R192 "R_0_R402-25_20K" R402-25#47 11800,15225 r270 bottom
R193 "R_0_R402-25_20K" R402-25#44 12025,15525 r270 bottom
R194 "R_0_R402-25_10" R402-25#1 12600,14225 r90 top
R195 "R_0_R402-25_10" R402-25#1 12650,14225 r90 top
R196 "R_0_R402-25_10" R402-25#1 12700,14225 r90 top
R197 "R_0_R402-25_10" R402-25#1 12750,14225 r90 top
R198 "R_0_R402-25_NO-POP" R402-25#48 13175,14275 r270 bottom
R199 "R_0_R402-25_NO-POP" R402-25#48 13125,14275 r270 bottom
R200 "R_0_R402-25_NO-POP" R402-25#48 13075,14275 r270 bottom
R201 "R_0_R402-25_NO-POP" R402-25#1 13025,14275 r90 top
R202 "R_0_R402-25_20K" R402-25#2 12700,14225 r90 bottom
R203 "R_0_R402-25_NO-POP" R402-25#1 12800,14225 r90 top
R204 "R_0_R402-25_NO-POP" R402-25#49 13175,14275 r270 top
R205 "R_0_R402-25_NO-POP" R402-25#49 13125,14275 r270 top
R206 "R_0_R402-25_2K" R402-25#49 13075,14275 r270 top
R207 "R_0_R402-25_2K" R402-25#2 13025,14275 r90 bottom
R208 "R_0_R402-25_2K" R402-25#2 12800,14225 r90 bottom
R209 "RESISTOR_R402-25_22" R402-25#1 12550,14225 r90 top
R210 "RESISTOR_R402-25_22" R402-25#50 12500,14225 r270 top
R211 "R_0_R402-25_2.2K" R402-25#2 14185,15210 r0 bottom
R212 "R_R603-35X45_1" R603-35X45#12 12355,15065 r180 top
R213 "R_0_R402-25_10K 1%" R402-25#51 14025,15000 r270 bottom
R214 "R_0_R402-25_10K 1%" R402-25#52 14175,15125 r270 bottom
R215 "R_R402-25_20K" R402-25#1 12225,15025 r90 top
R216 "R_0_R402-25_NO-POP" R402-25#53 14375,15175 r270 bottom
R217 "R_0_R402-25_0" R402-25#48 14275,15210 r180 bottom
R218 "R_R402-25_10K" R402-25#54 12225,14925 r180 bottom
R219 "R_R402-25_10K" R402-25#1 12325,14825 r90 top
R220 "R_0_R402-25_0" R402-25#55 12225,15150 r270 bottom
R221 "R_0_R402-25_0" R402-25#55 12525,15150 r270 bottom
R222 "R_R402-25_0" R402-25#56 12375,14825 r270 top
R223 "R_R402-25_24.9 1%" R402-25#1 11275,15075 r90 top
R224 "R_R402-25_10K" R402-25#2 10225,14725 r90 bottom
R225 "R_0_R402-25_2.2K" R402-25#1 14625,15125 r90 top
R226 "R_0_R402-25_10K 1%" R402-25#56 14675,14825 r270 top
R227 "R_0_R402-25_10K 1%" R402-25#57 14550,14975 r270 top
R228 "R_0_R402-25_NO-POP" R402-25#1 14775,15125 r90 top
R229 "R_0_R402-25_0" R402-25#1 14725,15025 r0 top
R230 "R_0_R402-25_0" R402-25#1 14725,15125 r90 top
R231 "R_0_R402-25_0" R402-25#1 14875,15125 r90 top
R232 "R_0_R402-25_0" R402-25#58 14800,15025 r270 top
R233 "RESISTOR_0_R402-25_1K" R402-25#2 15930,15550 r0 bottom
R234 "RESISTOR_0_R402-25_220" R402-25#59 15930,15500 r180 bottom
R235 "RESISTOR_0_R402-25_220" R402-25#60 16355,15500 r180 bottom
R236 "RESISTOR_0_R402-25_2.2K" R402-25#2 15400,13500 r0 bottom
R237 "RESISTOR_0_R603-35X45_49.9" R603-35X45#10 15075,13950 r0 top
R238 "RESISTOR_0_R603-35X45_49.9" R603-35X45#13 15250,13850 r180 top
R239 "RESISTOR_0_R402-25_220" R402-25#61 15200,15500 r180 bottom
R240 "RESISTOR_0_R402-25_220" R402-25#62 15625,15500 r180 bottom
R241 "R_R603-35X45_49.9" R603-35X45#3 15600,13800 r0 bottom
R242 "R_R603-35X45_49.9" R603-35X45#3 15600,13650 r0 bottom
R243 "R_R603-35X45_49.9" R603-35X45#3 15600,13725 r0 bottom
R244 "RESISTOR_0_R402-25_NO-POP" R402-25#2 16200,14000 r0 bottom
R245 "RESISTOR_0_R402-25_NO-POP" R402-25#2 16345,13975 r0 bottom
R246 "RESISTOR_0_R402-25_NO-POP" R402-25#2 16200,13650 r0 bottom
R247 "RESISTOR_0_R402-25_NO-POP" R402-25#2 16200,13550 r0 bottom
R248 "RESISTOR_0_R402-25_2K" R402-25#63 15250,13975 r180 bottom
R249 "RESISTOR_0_R402-25_2K" R402-25#2 16200,13900 r0 bottom
R250 "RESISTOR_0_R402-25_0" R402-25#1 15250,13925 r0 top
R251 "RESISTOR_0_R402-25_NO-POP" R402-25#1 16200,14000 r0 top
R252 "RESISTOR_0_R402-25_NO-POP" R402-25#1 16345,13975 r0 top
R253 "RESISTOR_0_R402-25_2K" R402-25#1 16200,13650 r0 top
R254 "RESISTOR_0_R402-25_2K" R402-25#1 16200,13550 r0 top
R255 "RESISTOR_0_R402-25_NO-POP" R402-25#64 15250,13975 r180 top
R256 "RESISTOR_0_R402-25_NO-POP" R402-25#1 16200,13900 r0 top
R257 "RESISTOR_0_R402-25_NO-POP" R402-25#2 15925,14350 r90 bottom
R258 "RESISTOR_0_R402-25_NO-POP" R402-25#2 16200,14100 r0 bottom
R259 "RESISTOR_0_R402-25_2K" R402-25#2 16345,14075 r0 bottom
R260 "RESISTOR_0_R402-25_2K" R402-25#2 16200,14050 r0 bottom
R261 "RESISTOR_0_R402-25_NO-POP" R402-25#2 16345,14025 r0 bottom
R262 "RESISTOR_0_R402-25_NO-POP" R402-25#2 16200,13950 r0 bottom
R263 "RESISTOR_0_R402-25_2K" R402-25#2 16325,13625 r0 bottom
R264 "RESISTOR_0_R402-25_2K" R402-25#2 16200,13600 r0 bottom
R265 "RESISTOR_0_R402-25_NO-POP" R402-25#2 16325,13575 r0 bottom
R266 "RESISTOR_0_R603-35X45_3.01K" R603-35X45#14 15500,14350 r270 top
R267 "RESISTOR_0_R402-25_NO-POP" R402-25#63 15250,13425 r180 bottom
R268 "RESISTOR_0_R402-25_2K" R402-25#63 15250,13375 r180 bottom
R269 "RESISTOR_0_R402-25_2K" R402-25#63 15250,13675 r180 bottom
R270 "RESISTOR_0_R402-25_NO-POP" R402-25#63 15250,13625 r180 bottom
R271 "RESISTOR_0_R402-25_2K" R402-25#2 16345,13925 r0 bottom
R272 "RESISTOR_0_R402-25_NO-POP" R402-25#2 16200,14150 r0 bottom
R273 "RESISTOR_0_R402-25_10K" R402-25#65 15350,14250 r270 top
R274 "RESISTOR_0_R402-25_NO-POP" R402-25#1 15925,14350 r90 top
R275 "RESISTOR_0_R402-25_2K" R402-25#1 16200,14100 r0 top
R276 "RESISTOR_0_R402-25_NO-POP" R402-25#1 16345,14075 r0 top
R277 "RESISTOR_0_R402-25_NO-POP" R402-25#1 16200,14050 r0 top
R278 "RESISTOR_0_R402-25_NO-POP" R402-25#1 16345,14025 r0 top
R279 "RESISTOR_0_R402-25_NO-POP" R402-25#1 16200,13950 r0 top
R280 "RESISTOR_0_R402-25_NO-POP" R402-25#1 16325,13625 r0 top
R281 "RESISTOR_0_R402-25_NO-POP" R402-25#1 16200,13600 r0 top
R282 "RESISTOR_0_R402-25_NO-POP" R402-25#1 16325,13575 r0 top
R283 "RESISTOR_0_R402-25_2K" R402-25#64 15250,13425 r180 top
R284 "RESISTOR_0_R402-25_NO-POP" R402-25#64 15250,13375 r180 top
R285 "RESISTOR_0_R402-25_NO-POP" R402-25#64 15250,13675 r180 top
R286 "RESISTOR_0_R402-25_2K" R402-25#64 15250,13625 r180 top
R287 "RESISTOR_0_R402-25_NO-POP" R402-25#1 16345,13925 r0 top
R288 "RESISTOR_0_R402-25_NO-POP" R402-25#1 16200,14150 r0 top
R289 "RESISTOR_0_R402-25_1K" R402-25#1 15250,14025 r0 top
R290 "R_R603-35X45_100" R603-35X45#3 15800,13595 r0 bottom
R291 "RESISTOR_0_R402-25_1K" R402-25#66 15400,13550 r180 bottom
R292 "RESISTOR_0_R402-25_10K" R402-25#5 15600,13500 r270 bottom
R293 "RESISTOR_0_R402-25_1K" R402-25#13 15925,13300 r270 bottom
R294 "RESISTOR_0_R402-25_NO-POP" R402-25#2 15575,14350 r90 bottom
R295 "RESISTOR_0_R402-25_NO-POP" R402-25#2 15625,14550 r90 bottom
R296 "RESISTOR_0_R402-25_NO-POP" R402-25#2 16040,14350 r90 bottom
R297 "RESISTOR_0_R402-25_NO-POP" R402-25#2 15990,14350 r90 bottom
R298 "RESISTOR_0_R402-25_NO-POP" R402-25#1 15575,14350 r90 top
R299 "RESISTOR_0_R402-25_NO-POP" R402-25#1 15625,14350 r90 top
R300 "RESISTOR_0_R402-25_NO-POP" R402-25#1 16040,14350 r90 top
R301 "RESISTOR_0_R402-25_NO-POP" R402-25#1 15990,14350 r90 top
R302 "RESISTOR_0_R402-25_1K" R402-25#13 15975,13300 r270 bottom
R303 "RESISTOR_0_R402-25_1K" R402-25#13 16025,13300 r270 bottom
R304 "RESISTOR_R603-35X45_49.9" R603-35X45#15 16375,14600 r270 top
R305 "RESISTOR_R603-35X45_49.9" R603-35X45#15 16450,14600 r270 top
R306 "RESISTOR_R603-35X45_49.9" R603-35X45#10 16300,14600 r90 top

## Text inside footprints (layer, text, board x,y; h text height)
U41: PIN_NUMBER "86" at 15388,13705.7 h15 r180; PIN_NUMBER "80" at 15388,13824 h15 r180; PIN_NUMBER "83" at 15388,13764.9 h15 r180; PIN_NUMBER "82" at 15388,13784.6 h15 r180; PIN_NUMBER "73" at 15388,13961.9 h15 r180; PIN_NUMBER "72" at 15388,13981.6 h15 r180; PIN_NUMBER "96" at 15388,13508.7 h15 r180; PIN_NUMBER "99" at 15388,13449.6 h15 r180; PIN_NUMBER "10" at 16042,13566.8 h15 r180; PIN_NUMBER "11" at 16042,13586.5 h15 r180; PIN_NUMBER "17" at 16042,13704.7 h15 r180; PIN_NUMBER "18" at 16042,13724.4 h15 r180; PIN_NUMBER "19" at 16042,13744.1 h15 r180; PIN_NUMBER "24" at 16042,13842.7 h15 r180; PIN_NUMBER "34" at 16042,14039.7 h15 r180; PIN_NUMBER "35" at 16042,14059.4 h15 r180; PIN_NUMBER "9" at 16048,13547.1 h15 r180; PIN_NUMBER "39" at 15970.3,14192 h15 r90; PIN_NUMBER "42" at 15911.2,14192 h15 r90; PIN_NUMBER "47" at 15812.7,14192 h15 r90; PIN_NUMBER "54" at 15674.7,14192 h15 r90; PIN_NUMBER "58" at 15595.9,14192 h15 r90; PIN_NUMBER "62" at 15517.1,14192 h15 r90; PIN_NUMBER "64" at 15477.7,14192 h15 r90; PIN_NUMBER "37" at 16042,14098.8 h15 r180; PIN_NUMBER "78" at 15388,13863.4 h15 r180; PIN_NUMBER "21" at 16042,13783.6 h15 r180; PIN_NUMBER "90" at 15388,13626.9 h15 r180; PIN_NUMBER "7" at 16048,13507.7 h15 r180; PIN_NUMBER "122" at 15842.1,13308 h15 r90; PIN_NUMBER "106" at 15526.8,13308 h15 r90; PIN_NUMBER "68" at 15388,14060.4 h15 r180; PIN_NUMBER "69" at 15388,14040.7 h15 r180; PIN_NUMBER "63" at 15497.4,14192 h15 r90; PIN_NUMBER "112" at 15645,13308 h15 r90; PIN_NUMBER "110" at 15605.6,13308 h15 r90; PIN_NUMBER "111" at 15625.3,13308 h15 r90; PIN_NUMBER "113" at 15664.7,13308 h15 r90; PIN_NUMBER "114" at 15684.4,13308 h15 r90; PIN_NUMBER "126" at 15920.9,13308 h15 r90; PIN_NUMBER "125" at 15901.2,13308 h15 r90; PIN_NUMBER "124" at 15881.5,13308 h15 r90; PIN_NUMBER "121" at 15822.4,13308 h15 r90; PIN_NUMBER "120" at 15802.7,13308 h15 r90; PIN_NUMBER "115" at 15704.1,13308 h15 r90; PIN_NUMBER "119" at 15783,13308 h15 r90; PIN_NUMBER "118" at 15763.3,13308 h15 r90; PIN_NUMBER "117" at 15743.6,13308 h15 r90; PIN_NUMBER "116" at 15723.9,13308 h15 r90; PIN_NUMBER "109" at 15585.9,13308 h15 r90; PIN_NUMBER "79" at 15388,13843.7 h15 r180; PIN_NUMBER "8" at 16048,13527.4 h15 r180; PIN_NUMBER "107" at 15546.5,13308 h15 r90; PIN_NUMBER "92" at 15388,13587.5 h15 r180; PIN_NUMBER "93" at 15388,13567.8 h15 r180; PIN_NUMBER "128" at 15960.3,13308 h15 r90; PIN_NUMBER "127" at 15940.6,13308 h15 r90; PIN_NUMBER "50" at 15753.6,14192 h15 r90; PIN_NUMBER "51" at 15733.9,14192 h15 r90; PIN_NUMBER "59" at 15576.2,14192 h15 r90; PIN_NUMBER "60" at 15556.5,14192 h15 r90; PIN_NUMBER "41" at 15930.9,14192 h15 r90; PIN_NUMBER "38" at 16042,14118.5 h15 r180; PIN_NUMBER "43" at 15891.5,14192 h15 r90; PIN_NUMBER "57" at 15615.6,14192 h15 r90; PIN_NUMBER "40" at 15950.6,14192 h15 r90; PIN_NUMBER "91" at 15388,13607.2 h15 r180; PIN_NUMBER "123" at 15861.8,13308 h15 r90; PIN_NUMBER "22" at 16042,13803.3 h15 r180; PIN_NUMBER "103" at 15467.7,13308 h15 r90; PIN_NUMBER "104" at 15487.4,13308 h15 r90; PIN_NUMBER "102" at 15382,13390.5 h15 r180; PIN_NUMBER "108" at 15566.2,13308 h15 r90; PIN_NUMBER "105" at 15507.1,13308 h15 r90; PIN_NUMBER "32" at 16042,14000.3 h15 r180; PIN_NUMBER "29" at 16042,13941.2 h15 r180; PIN_NUMBER "101" at 15382,13410.2 h15 r180; PIN_NUMBER "100" at 15382,13429.9 h15 r180; PIN_NUMBER "44" at 15871.8,14192 h15 r90; PIN_NUMBER "1" at 16048,13389.5 h15 r180; PIN_NUMBER "33" at 16042,14020 h15 r180; PIN_NUMBER "31" at 16042,13980.6 h15 r180; PIN_NUMBER "30" at 16042,13960.9 h15 r180; PIN_NUMBER "23" at 16042,13823 h15 r180; PIN_NUMBER "20" at 16042,13763.9 h15 r180; PIN_NUMBER "15" at 16042,13665.3 h15 r180; PIN_NUMBER "88" at 15388,13666.3 h15 r180; PIN_NUMBER "14" at 16042,13645.6 h15 r180; PIN_NUMBER "70" at 15388,14021 h15 r180; PIN_NUMBER "36" at 16042,14079.1 h15 r180; PIN_NUMBER "16" at 16042,13685 h15 r180; PIN_NUMBER "28" at 16042,13921.5 h15 r180; PIN_NUMBER "77" at 15388,13883.1 h15 r180; PIN_NUMBER "12" at 16042,13606.2 h15 r180; PIN_NUMBER "26" at 16042,13882.1 h15 r180; PIN_NUMBER "13" at 16042,13625.9 h15 r180; PIN_NUMBER "56" at 15635.3,14192 h15 r90; PIN_NUMBER "55" at 15655,14192 h15 r90; PIN_NUMBER "65" at 15388,14119.5 h15 r180; PIN_NUMBER "53" at 15694.4,14192 h15 r90; PIN_NUMBER "27" at 16042,13901.8 h15 r180; PIN_NUMBER "45" at 15852.1,14192 h15 r90; PIN_NUMBER "5" at 16048,13468.3 h15 r180; PIN_NUMBER "84" at 15388,13745.1 h15 r180; PIN_NUMBER "4" at 16048,13448.6 h15 r180; PIN_NUMBER "85" at 15388,13725.4 h15 r180; PIN_NUMBER "49" at 15773.3,14192 h15 r90; PIN_NUMBER "6" at 16048,13488 h15 r180; PIN_NUMBER "48" at 15793,14192 h15 r90; PIN_NUMBER "46" at 15832.4,14192 h15 r90; PIN_NUMBER "3" at 16048,13428.9 h15 r180; PIN_NUMBER "61" at 15536.8,14192 h15 r90; PIN_NUMBER "2" at 16048,13409.2 h15 r180; PIN_NUMBER "52" at 15714.2,14192 h15 r90; PIN_NUMBER "89" at 15388,13646.6 h15 r180; PIN_NUMBER "67" at 15388,14080.1 h15 r180; PIN_NUMBER "76" at 15388,13902.8 h15 r180; PIN_NUMBER "25" at 16042,13862.4 h15 r180; PIN_NUMBER "71" at 15388,14001.3 h15 r180; PIN_NUMBER "75" at 15388,13922.5 h15 r180; PIN_NUMBER "94" at 15388,13548.1 h15 r180; PIN_NUMBER "95" at 15388,13528.4 h15 r180; PIN_NUMBER "74" at 15388,13942.2 h15 r180; PIN_NUMBER "66" at 15388,14099.8 h15 r180; PIN_NUMBER "81" at 15388,13804.3 h15 r180; PIN_NUMBER "87" at 15388,13686 h15 r180; PIN_NUMBER "97" at 15388,13489 h15 r180; PIN_NUMBER "98" at 15388,13469.3 h15 r180; ASSEMBLY_TOP "KSZ8893MQL" at 15945,13565 h40 r90; ASSEMBLY_TOP "X" at 15945,13610 h40 r90; ASSEMBLY_TOP "X" at 15945,13650 h40 r90; SYMB_DIM "PAD 12X70 OV" at 16441.5,13460.5 h40 r90; SYMB_DIM "PQFP128SQ-12X70" at 15255,13462.5 h40 r90; SYMB_DIM "0" at 16245,13730 h40 r90; SYMB_DIM "0" at 15745,13230 h40 r90
U42: PIN_NUMBER "1" at 14868,13692 h40; PIN_NUMBER "2" at 15068,13692 h40; PIN_NUMBER "3" at 15068,13858 h40; PIN_NUMBER "4" at 14868,13858 h40; ASSEMBLY_TOP "50.000 MHz" at 15000,13775 h40; ASSEMBLY_TOP "TOLERANCE" at 15000,13575 h40; ASSEMBLY_TOP "USERPART#" at 15000,13475 h40; SYMBOL_PART_DIM "PAD 71X79REC" at 14800,13300 h40; SYMBOL_PART_DIM "SM  79X87REC" at 14800,13225 h40; SYMBOL_PART_DIM "SP  71X79REC" at 14800,13150 h40; SYMBOL_PART_DIM "OSC4-71X79" at 14750,13375 h40; SYMBOL_PART_DIM "0" at 14980,13480 h40; SYMBOL_PART_DIM "0" at 14705,13755 h40
U43: PIN_NUMBER "3" at 10584.6,13711 h40; PIN_NUMBER "4" at 10584.6,13789 h40; PIN_NUMBER "2" at 10559,13711 h40; PIN_NUMBER "5" at 10533.4,13789 h40; PIN_NUMBER "1" at 10533.4,13711 h40; ASSEMBLY_TOP "PART#" at 10458.9,13629.1 h40.2; ASSEMBLY_TOP "TOL" at 10519.1,13835.8 h40.2; ASSEMBLY_TOP "SN74CBTLV1G125" at 10473.8,13790.9 h40.2; SYMB_DIM "0" at 10660,13735 h29.9; SYMB_DIM "0" at 10560,13859.8 h29.9
U44: PIN_NUMBER "31" at 17051,13315.8 h10 r270; PIN_NUMBER "17" at 17253,13268.6 h10 r270; PIN_NUMBER "41" at 17149,13260 h10; PIN_NUMBER "34" at 17051,13268.6 h10 r270; PIN_NUMBER "8" at 17195.4,13144 h10 r270; PIN_NUMBER "3" at 17116.6,13144 h10 r270; PIN_NUMBER "40" at 17051,13174.2 h10 r270; PIN_NUMBER "10" at 17222.8,13144 h10 r270; PIN_NUMBER "16" at 17253,13252.9 h10 r270; PIN_NUMBER "23" at 17191.4,13346 h10 r180; PIN_NUMBER "26" at 17144.1,13346 h10 r180; PIN_NUMBER "18" at 17253,13284.4 h10 r270; PIN_NUMBER "25" at 17159.9,13346 h10 r180; PIN_NUMBER "38" at 17051,13205.6 h10 r270; PIN_NUMBER "24" at 17175.6,13346 h10 r180; PIN_NUMBER "1" at 17085.2,13144 h10 r270; PIN_NUMBER "4" at 17132.4,13144 h10 r270; PIN_NUMBER "9" at 17211.1,13144 h10 r270; PIN_NUMBER "21" at 17222.8,13346 h10 r180; PIN_NUMBER "37" at 17051,13221.4 h10 r270; PIN_NUMBER "13" at 17253,13205.6 h10 r270; PIN_NUMBER "32" at 17051,13300.1 h10 r270; PIN_NUMBER "12" at 17253,13189.9 h10 r270; PIN_NUMBER "2" at 17100.9,13144 h10 r270; PIN_NUMBER "28" at 17112.6,13346 h10 r180; PIN_NUMBER "39" at 17051,13189.9 h10 r270; PIN_NUMBER "22" at 17207.1,13346 h10 r180; PIN_NUMBER "14" at 17253,13221.4 h10 r270; PIN_NUMBER "11" at 17253,13174.2 h10 r270; PIN_NUMBER "27" at 17128.4,13346 h10 r180; PIN_NUMBER "15" at 17253,13237.1 h10 r270; PIN_NUMBER "7" at 17179.6,13144 h10 r270; PIN_NUMBER "35" at 17051,13252.9 h10 r270; PIN_NUMBER "19" at 17253,13300.1 h10 r270; PIN_NUMBER "36" at 17051,13237.1 h10 r270; PIN_NUMBER "6" at 17163.9,13144 h10 r270; PIN_NUMBER "5" at 17148.1,13144 h10 r270; PIN_NUMBER "29" at 17096.9,13346 h10 r180; PIN_NUMBER "30" at 17081.2,13346 h10 r180; PIN_NUMBER "33" at 17051,13284.4 h10 r270; PIN_NUMBER "20" at 17253,13315.8 h10 r270
U45: PIN_NUMBER "3" at 17442,13682.6 h40 r270; PIN_NUMBER "2" at 17442,13720 h40 r270; PIN_NUMBER "4" at 17546,13682.6 h40 r270; PIN_NUMBER "5" at 17546,13720 h40 r270; PIN_NUMBER "1" at 17442,13757.4 h40 r270; PIN_NUMBER "6" at 17546,13757.4 h40 r270; ASSEMBLY_TOP "TPS3808G09DBVRG4" at 17515,13740 h40 r270; ASSEMBLY_TOP "X" at 17515,13705 h40 r270; ASSEMBLY_TOP "X" at 17515,13670 h40 r270
U46: PIN_NUMBER "3" at 16108.4,12934 h40 r180; PIN_NUMBER "4" at 16108.4,12856 h40 r180; PIN_NUMBER "5" at 16159.6,12856 h40 r180; PIN_NUMBER "1" at 16159.6,12934 h40 r180; PIN_NUMBER "2" at 16134,12934 h40 r180; ASSEMBLY_TOP "PART#" at 16266.1,13015.9 h40.2 r180; ASSEMBLY_TOP "TOL" at 16205.9,12809.2 h40.2 r180; ASSEMBLY_TOP "1G08" at 16251.2,12854.1 h40.2 r180; SYMB_DIM "0" at 16065,12910 h29.9 r180; SYMB_DIM "0" at 16165,12785.2 h29.9 r180
U47: PIN_NUMBER "3" at 15983.4,12934 h40 r180; PIN_NUMBER "1" at 16034.6,12934 h40 r180; PIN_NUMBER "2" at 16009,12934 h40 r180; PIN_NUMBER "5" at 16034.6,12856 h40 r180; PIN_NUMBER "4" at 15983.4,12856 h40 r180; ASSEMBLY_TOP "PART#" at 16141.1,13015.9 h40.2 r180; ASSEMBLY_TOP "TOL" at 16080.9,12809.2 h40.2 r180; ASSEMBLY_TOP "1G08" at 16126.2,12854.1 h40.2 r180; SYMB_DIM "0" at 15940,12910 h29.9 r180; SYMB_DIM "0" at 16040,12785.2 h29.9 r180
U48: PIN_NUMBER "3" at 16721.2,13707.6 h40 r180; PIN_NUMBER "2" at 16758.6,13707.6 h40 r180; PIN_NUMBER "1" at 16796,13707.6 h40 r180; PIN_NUMBER "4" at 16721.2,13603.6 h40 r180; PIN_NUMBER "5" at 16758.6,13603.6 h40 r180; PIN_NUMBER "6" at 16796,13603.6 h40 r180; ASSEMBLY_TOP "TPS3808G09DBVRG4" at 16794.6,13650.6 h40 r180; ASSEMBLY_TOP "X" at 16759.6,13650.6 h40 r180; ASSEMBLY_TOP "X" at 16724.6,13650.6 h40 r180
U49: PIN_NUMBER "3" at 15858.4,12934 h40 r180; PIN_NUMBER "1" at 15909.6,12934 h40 r180; PIN_NUMBER "4" at 15858.4,12856 h40 r180; PIN_NUMBER "5" at 15909.6,12856 h40 r180; PIN_NUMBER "2" at 15884,12934 h40 r180; ASSEMBLY_TOP "PART#" at 16016.1,13015.9 h40.2 r180; ASSEMBLY_TOP "TOL" at 15955.9,12809.2 h40.2 r180; ASSEMBLY_TOP "1G08" at 16001.2,12854.1 h40.2 r180; SYMB_DIM "0" at 15815,12910 h29.9 r180; SYMB_DIM "0" at 15915,12785.2 h29.9 r180